# KiCad board systek_jumpsensor.kicad_pcb
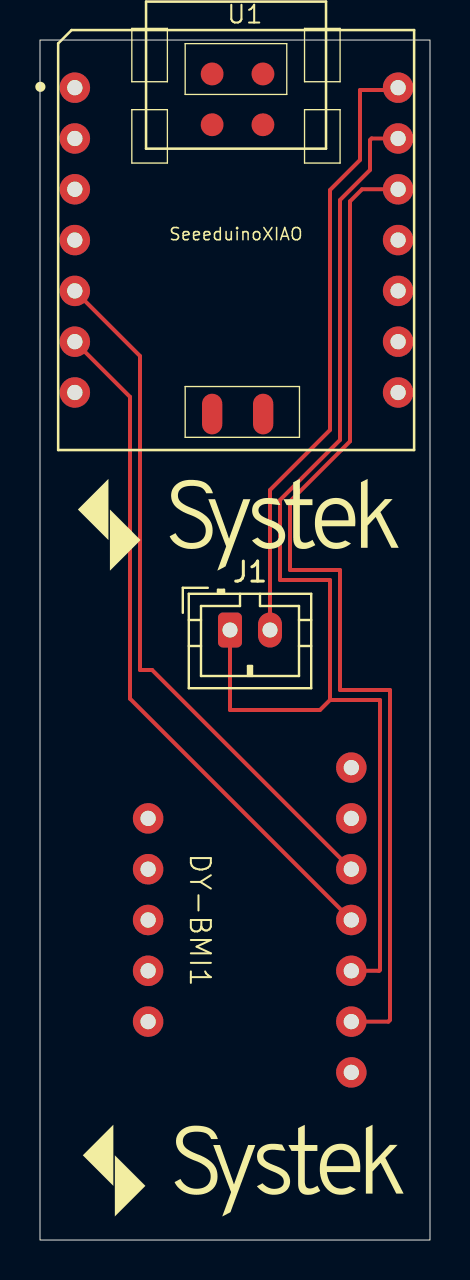
[diagram p0: board, top side]
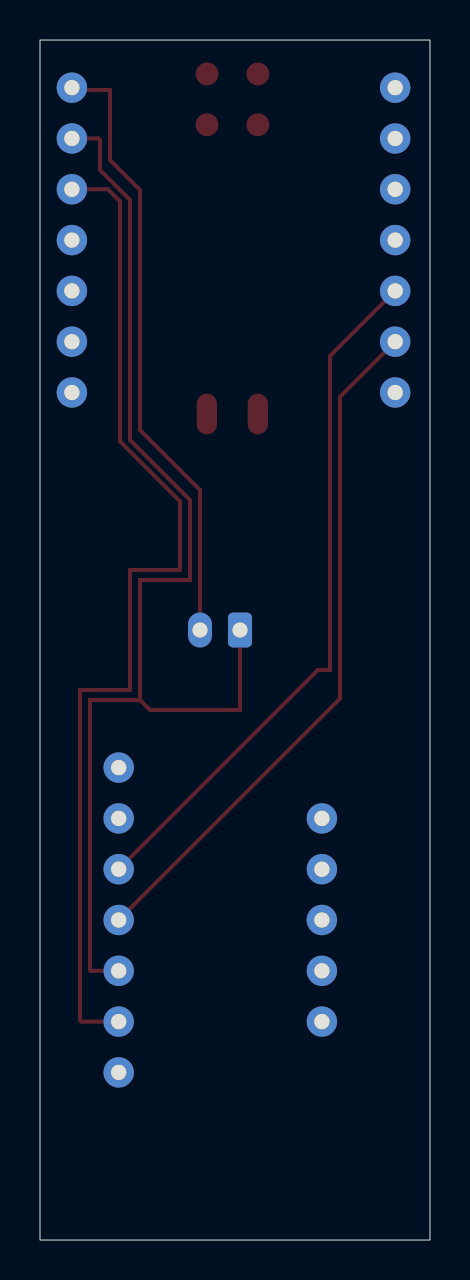
[diagram p1: board, bottom side, seen from below]

Outline 19.5 x 60 mm; copper layers: Top, Bottom. Coordinates in mm from the lower left corner of the outline.
Outline path: rectangle 0,60 19.5,0

## Placement (name value [footprint] x y rotation side)
DY-BMI1  ~  [DY-BMI160]  18.11 16 270 top
J1  Batteri  [JST_PH_B2B-PH-K_1x02_P2.00mm_Vertical]  9.5 30.5 0 top
U1  SeeeduinoXIAO  [Seeeduino XIAO-MOUDLE14P-2.54-21X17.8MM]  0.91 39.5 0 top

## Library data of the parts
J1 = -: Description: Generic connector, single row, 01x02, script generated; ki_fp_filters: Connector*:*_1x??_*

## Footprints (pads in the part's own frame, mm; a bottom-side part is the same pattern mirrored in y, then rotated)
DY-BMI160
  round 1.524 hole 0.762: 3V3(5.08,-2.54) CS(-5.08,-2.54) GND(2.54,-2.54) INT1(0,-12.7) INT2(2.54,-12.7) OSC(5.08,-12.7) SAO(-7.62,-2.54) SCL(0,-2.54) SCX(-2.54,-12.7) SDA(-2.54,-2.54) SDX(-5.08,-12.7) VIN(7.62,-2.54)
JST_PH_B2B-PH-K_1x02_P2.00mm_Vertical
  rrect 1.2x1.75 hole 0.75: 1(0,0)
  oval 1.2x1.75 hole 0.75: 2(2,0)
Seeeduino XIAO-MOUDLE14P-2.54-21X17.8MM
  round 1.524 hole 0.762: 1(0.833,18.118) 2(0.833,15.578) 3(0.833,13.038) 4(0.833,10.498) 5(0.833,7.958) 6(0.833,5.418) 7(0.833,2.878) 8(16.998,2.878) 9(16.998,5.418) 10(16.998,7.958) 11(16.998,10.498) 12(16.998,13.038) 13(16.998,15.578) 14(16.998,18.118)
  oval 1.016x2.032 smd: 15(7.7,1.8) 16(10.25,1.8)
  round 1.143 smd: 17(7.699,18.804) 18(10.239,18.804) 19(7.699,16.264) 20(10.239,16.264)

## Nets
Net-(DY-BMI1-PadGND): DY-BMI1.GND U1.13
Net-(U1-3V3): DY-BMI1.3V3 U1.12
Net-(U1-PA8_A4_D4_SDA): DY-BMI1.SDA U1.5
Net-(U1-PA9_A5_D5_SCL): DY-BMI1.SCL U1.6

Pads without a net: DY-BMI1 CS INT1 INT2 OSC SAO SCX SDX VIN; J1 1 2; U1 1 2 3 4 7 8 9 10 11 14 15 16 17 18 19 20

## Routing (per net, layer and track width the routed paths; a pad name or vN(x,y) marks a point on that pad's centre or on a via; arc(x,y) is an arc through that point)
Net-(DY-BMI1-PadGND): length 59.3
  Top w0.2: 14.5,27 17,27 17,13.5 16.96,13.46 DY-BMI1.GND ; 14.5,27 14.5,33 12,33 12,37 15,40 15,52 16.5,53.5 16.5,55 16.58,55.08 U1.13 ; 14.5,27 14,26.5 9.5,26.5 9.5,29.33
Net-(U1-3V3): length 51.8
  Top w0.2: U1.12 16.1,52.54 15.5,51.93 15.5,39.93 12.5,36.93 12.5,33.5 15,33.5 15,27.5 17.5,27.5 17.5,11 17.42,10.92 DY-BMI1.3V3
Net-(U1-PA8_A4_D4_SDA): length 35
  Top w0.2: U1.5 5,44.2 5,28.5 5.61,28.5 DY-BMI1.SDA
Net-(U1-PA9_A5_D5_SCL): length 34.6
  Top w0.2: U1.6 4.5,42.16 4.5,27.07 DY-BMI1.SCL
unconnected-(J1-Pin_2-Pad2): length 29.7
  Top w0.2: 16.84,57.5 16,57.5 16,54 14.5,52.5 14.5,40.5 11.5,37.5 J1.2
